# Altium PCB carrier.PcbDoc (part 5 of 5) (continued)
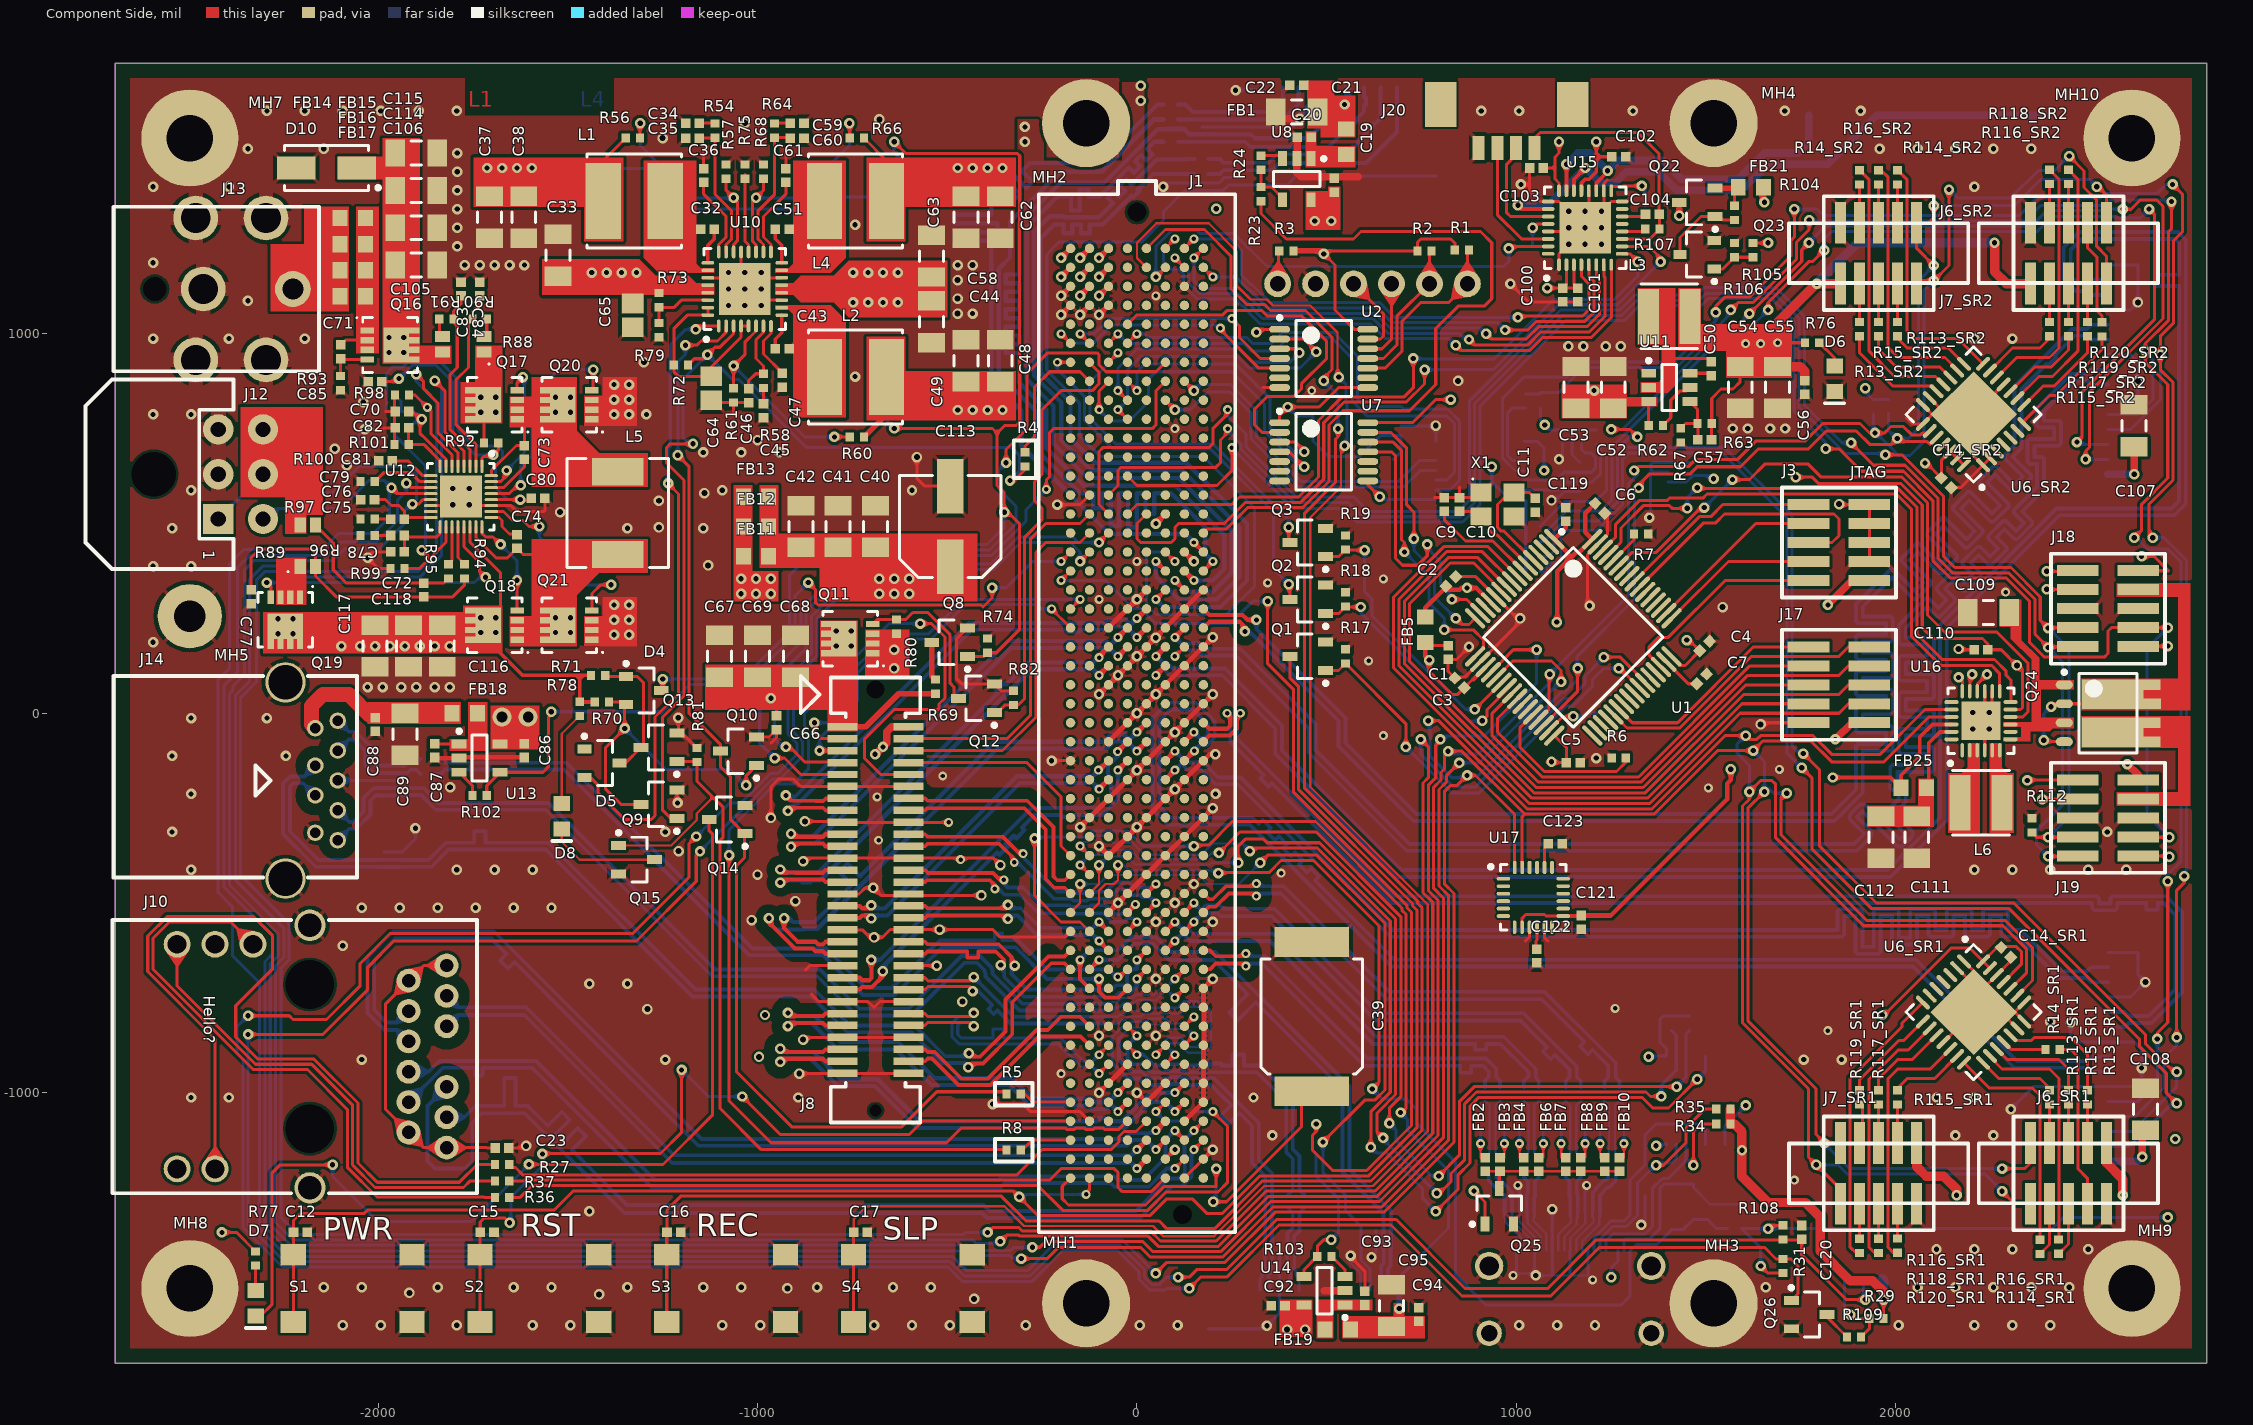
[diagram p0: Component Side view]
## Nets (pads, with @x,y where several pads share a name; then routed paths per layer and width w, separated by ;. In a path a pad name is that pad's centre, name@x,y a point inside that pad or via, vN(x,y) a via of type N, cw(c..) or ccw(c..) an arc to the next point about the centre after c; other vN are vias at no path point) (continued)
USBM2_D_P: J1.B42 J8.56 | length 587.2
  Component Side w10: J8.56@-602.36,-885.83 -557.99,-885.83 -550.74,-893.07 -532.88,-893.07 -462.96,-963 -392.98,-963 -265,-835.02 -234.98,-835.02 -199.96,-800 -150,-800 J1.B42@-125,-825
USBM2_RX_N: J1.F44 J8.44 | length 1170.3
  Component Side w8: J8.44@-602.36,-696.85 -558.99,-696.85 -550.74,-705.1 -540,-705.1 -539.9,-705 -439.78,-705 v1(-430,-695.22) ; J1.F44@75,-925 v3(100,-900)
  Solder Side w6: -72.73,-799.69 -50.5,-799.69 -45.71,-794.9 -37.97,-794.9 -27.55,-784.48 3.19,-784.48 11.38,-776.29 106.69,-776.29 124.21,-758.78 163.78,-758.78 ; 82,-875 82,-882 v3(100,-900) ; 82.5,-875 87.5,-870 110,-870 134.39,-894.39 181.2,-894.39 195.1,-880.5 195.1,-784.3 169.58,-758.78
  Solder Side w8: 163.78,-758.78 169.58,-758.78
  Solder Side w10: v1(-430,-695.22) -325.53,-799.69 -72.73,-799.69
USBM2_RX_P: J1.F43 J8.46 | length 1156.8
  Component Side w8: J8.46@-602.36,-728.35 -558.99,-728.35 -550.74,-720.1 -533.79,-720.1 -533.69,-720 -439.78,-720 ; v3(50,-900) J1.F43@75,-875
  Solder Side w6: -66.93,-817.69 -48.7,-817.69 -39.91,-808.9 -32.17,-808.9 -22.46,-799.19 8.99,-799.19 17.18,-791 114.17,-791 131.39,-773.78 163.78,-773.78 181.1,-791.1 181.1,-874.7 176.41,-879.39 140.61,-879.39 120.61,-859.39 ; v3(50,-900) 68,-882 68,-869.7 82.41,-855.29 116.51,-855.29
  Solder Side w8: 116.51,-855.29 120.61,-859.39
  Solder Side w10: v1(-433.07,-732.28) -418.39,-732.28 -402.64,-748.03 -395.57,-755.1 -381.43,-769.24 -391.38,-779.2 -377.24,-793.34 -367.29,-783.39 -353.15,-797.53 -332.99,-817.69 -66.93,-817.69
USBM2_TX_N: J1.C44 J8.50 | length 747.6
  Component Side w8: J8.50@-602.36,-791.34 -558.99,-791.34 -550.74,-799.59 -439.78,-799.59 v1(-430,-789.81) ; v3(-100,-950) J1.C44@-75,-925
  Solder Side w8: v1(-430,-789.81) -439.78,-799.59 -470.8,-799.59 -487.29,-816.08 -487.29,-852.82 -468.81,-871.3 -207.41,-871.3 -146.21,-932.5 -117.5,-932.5 v3(-100,-950)
USBM2_TX_P: J1.C43 J8.52 | length 747.6
  Component Side w8: J8.52@-602.36,-822.83 -558.99,-822.83 -550.74,-814.59 -439.78,-814.59 v1(-430,-824.37) ; v3(-100,-900) J1.C43@-75,-875
  Solder Side w8: v1(-430,-824.37) -439.78,-814.59 -464.59,-814.59 -472.29,-822.29 -472.29,-846.31 -472.44,-846.46 -462.6,-856.3 -393.7,-856.3 -379.7,-856.3 -379.7,-831.51 -351.7,-831.51 -351.7,-856.3 -275.59,-856.3 -201.2,-856.3 -140,-917.5 -117.5,-917.5 v3(-100,-900)
VDD_1V8_SYS: C13.1 C62.2 C63.2 C100.2 C101.2 J18.1 J19.1 L4.2 R28.2 R31.2 R65.1 R66.1 R105.1 R108.2 U2.1 U2.8 U4.1 U4.8 U5.1 U5.2 U5.3 U5.8 U7.1 U7.8 U15.2 U15.3 | length 3769.7
  Component Side w8: R66.1@-719.49,1515.75 -660.43,1456.69 L4.2@-660.43,1350.39 ; v1(314.96,1003.94) 322.83,1011.81 U2.1@375.98,1011.81 ; U7.1@375.98,765.75 375.98,785.43 v1(397.64,807.09) 480.32,807.09 531.5,858.27 U2.8@608.27,858.27 ; U7.8@608.27,612.2 608.27,602.36 v1(639.76,570.87) ; v1(1081.1,1120.47) C100.2@1122.05,1120.47 ; U15.2@1131.89,1182.09 1131.89,1130.32 C100.2@1122.05,1120.47 ; U15.3@1151.57,1182.09 1151.57,1130.32 C101.2@1161.42,1120.47 C100.2@1122.05,1120.47 ; R105.1@1624.02,1239.17 1662.4,1239.17 v1(1663.39,1240.16) ; v1(1643.7,-1456.69) 1662.4,-1475.39 R31.2@1702.76,-1475.39 ; v1(1663.39,-1358.27) 1672.24,-1349.41 R108.2@1702.76,-1349.41 ; J19.1@2639.06,-375.59 2718.11,-375.59 v1(2720.47,-377.95) ; J18.1@2639.06,175.59 2640.63,177.17 v1(2716.54,177.17)
  Power_layer1 w8: v1(639.76,570.87) 1053.15,570.87 1072.83,590.55 v1(1072.83,639.76)
  Solder Side w8: v1(397.64,807.09) 421.93,782.8 U5.3@463.86,782.8 U5.2@463.86,757.2 U5.1@463.86,731.61 463.86,717.24 503.94,677.17 586.61,677.17 641.06,731.61 U5.8@696.14,731.61 696.14,689.45 C13.1@675.98,669.29 ; v1(639.76,570.87) 647.4,563.23 U4.1@787.86,563.23 ; U4.8@1020.14,716.77 1054.88,716.77 1072.83,698.82 v1(1072.83,639.76) ; v1(1643.7,-1456.69) 1643.7,-1408.46 R28.2@1593.5,-1358.27 v1(1663.39,-1358.27) 2411.42,-1358.27 2440.94,-1328.74 v1(2716.54,-1328.74)
  Solder Side w20: R65.1@-511.81,1436.02 -473.43,1436.02 v1(-472.44,1437.01) v1(-433.07,1437.01) v1(-393.7,1437.01) v1(-354.33,1437.01)
VDD_3V3_MCU: C1.1 C3.1 C4.1 C5.1 C6.1 C14_SR1.2 C14_SR2.2 C54.2 C55.2 C56.2 C57.1 C110.2 C119.1 C121.1 FB5.1 FB25.2 J3.1 J6_SR1.1 J6_SR2.1 J7_SR1.1 J7_SR2.1 J17.1 L3.2 R9.2 R10.2 R63.2 R76.2 U1.1 U1.19 U1.32 U1.48 U1.64 U6_SR1.25 U6_SR1.27 U6_SR1.28 U6_SR2.25 U6_SR2.26 U6_SR2.27 U6_SR2.28 U16.11 U16.22 U17.8 U17.13 | length 6452.3
  Component Side w8: FB5.1@760,186.54 768.43,178.11 C1.1@820,178.11 ; 770,110 830,50 845.61,50 C3.1@862.81,67.19 885.61,90 886.89,90 ; U17.8@1015.07,-563.98 1015.07,-540.05 1024.93,-530.19 1074.24,-530.19 1078.5,-534.45 U17.13@1123.34,-534.45 ; v1(1092.52,-127.95) 1082.05,-127.95 1080,-130 C5.1@1131.89,-130 1131.89,-90.9 U1.32@1099.89,-58.9 ; U1.48@1408.9,149.89 1432.81,125.98 1444.88,125.98 C4.1@1483.26,164.36 1454.7,192.91 v1(1448.82,192.91) ; C57.1@1514.17,720.47 1514.17,763.19 R63.2@1514.76,763.78 1514.76,829.72 1539.37,854.33 1570.87,854.33 1589.84,873.31 C54.2@1589.84,913.78 ; v6(1688.27,976.38) R76.2@1760.83,976.38 ; v1(1736.22,622.05) 1779.56,622.05 1795.6,606 2012.34,606 2069.56,548.78 2069.56,225.72 2098.43,196.85 2228.35,196.85 2242.52,182.68 C110.2@2242.52,167.32 2277.56,167.32 v5(2318.9,125.98) 2333.65,111.24 2333.65,14.75 2328.74,9.84 U16.11@2302.17,9.84 ; v1(1964.57,-795.28) 1969.71,-795.28 2146.87,-618.11 2194.11,-618.11 U6_SR1.28@2229.78,-653.78 ; v1(2076.77,659.45) 2080.55,659.45 C14_SR2.2@2120,620 2120,666.49 U6_SR2.26@2143.48,689.97 ; U6_SR2.25@2125.38,708.06 U6_SR2.26@2143.48,689.97 ; U6_SR2.28@2179.67,653.78 U6_SR2.27@2161.57,671.87 U6_SR2.26@2143.48,689.97 ; U6_SR1.27@2247.87,-671.87 U6_SR1.28@2229.78,-653.78 ; U6_SR1.25@2284.07,-708.06 2330.62,-661.5 2330.62,-627.98 2317.63,-614.99 2279.4,-614.99 C14_SR1.2@2277.19,-617.19 2266.36,-617.19 U6_SR1.28@2229.78,-653.78
  Component Side w10: U17.13@1123.34,-534.45 C121.1@1169.88,-534.45 ; v1(1833.66,-169.29) 1986.22,-169.29 FB25.2@2013.78,-196.85 2013.78,-163.39 2062.99,-114.17 2062.99,-62.99 2096.46,-29.53 U16.22@2146.65,-29.53
  Component Side w12: FB5.1@760,186.54 760,150 v1(770,140) 770,110 ; 886.89,90 U1.19@918.94,122.05 ; v1(1106.3,240.16) 1108,241.86 1108,374.02 1135.56,401.57 ; C119.1@1129.92,505.51 1129.92,488.93 U1.1@1099.89,458.9 1135.56,423.23 1135.56,401.57 ; C121.1@1169.88,-534.45 C121.1@1171.26,-533.07 1248.43,-533.07 1555.12,-226.38 1555.12,-185.69 1564.96,-175.85 v1(1564.96,-147.64) ; C6.1@1207.19,552.81 1181.59,527.2 1181.59,477.42 U1.64@1200.11,458.9 1165.35,424.15 1158.13,424.15 1135.56,401.57
  Component Side w20: v1(1820.87,285.43) 1885.43,350 J3.1@1930,350 ; v1(1840.55,-68.9) 1884.45,-25 J17.1@1930,-25
  Component Side w25: C56.2@1759.84,876.38 1759.84,901.57 1747.64,913.78 C55.2@1688.27,913.78 v6(1688.27,976.38) 1688.27,1029.41 v1(1791.26,1132.4) J6_SR2.1@1854.72,1132.4 ; J7_SR1.1@2054.72,-1132.4 2054.72,-1194.72 2080,-1220 2126,-1220 2160,-1254 v1(2160,-1270) ; v1(2260,1240) 2260,1163.66 2291.26,1132.4 J7_SR2.1@2354.72,1132.4 ; J6_SR1.1@2554.72,-1132.4 2554.72,-1184.72 2598.43,-1228.43 v1(2598.43,-1269.68)
  Solder Side w8: v1(1919.29,856.3) 1919.29,847.44 R9.2@1940.94,825.79 1941.93,826.77 R10.2@1980.32,826.77
  Solder Side w25: v1(1791.26,1132.4) 1898.86,1240 v1(2260,1240)
  other v6: 1604.33,974.41 1643.7,974.41
VDD_3V3_STBY: C66.2 C67.2 C68.2 C69.2 J8.1 Q11.D Q25.G R69.2 | length 4521
  Component Side w8: C69.2@-1000,94.88 -954.53,49.41 ; C66.2@-950,-6.89 -950,39.37 ; v1(887.95,-1258.79) 917.32,-1288.16 Q25.G@917.32,-1346.46
  Component Side w15: J8.1@-775.59,-35.43 -714.57,-35.43 -627.95,51.18 R69.2@-531.5,51.18
  Power_layer1 w8: v1(-964.57,39.37) -944.88,19.68 -664.8,19.68 -639.76,-5.35 -639.76,-127.95 -659.45,-147.64 -1043.31,-147.64 -1062.99,-167.32 -1062.99,-213.98 -1043.31,-233.66 -1043.31,-559.68 -1043.78,-560.15 -1043.78,-579.85 -1043.31,-580.32 -1043.31,-954.72 -1072.83,-984.25 -1072.83,-1033.46 -1043.31,-1062.99 -1043.31,-1235.58 -1019.05,-1259.84 -344.49,-1259.84 -324.8,-1240.16 -118.11,-1240.16 -98.43,-1259.84 693.55,-1259.84 762.45,-1190.94 836.61,-1190.94 887.95,-1242.28 v1(887.95,-1258.79)
  other v1: -792.32,177.17 -752.95,177.17 -792.32,216.54 -752.95,216.54
VDD_3V3_SYS: C18.2 C19.1 C48.2 C49.2 C107.1 C108.1 FB21.1 J4.15 J5.15 L2.2 Q11.S R1.2 R2.2 R3.2 R11.2 R12.2 R20.1 R22.2 R32.2 R33.2 R59.1 R60.1 R80.2 R128.2 R129.2 R130.2 U2.14 U3.3 U3.24 U4.14 U7.14 U8.5 U9.1 U9.8 | length 2795.8
  Component Side w8: U7.14@608.27,765.75 726.38,765.75 787.4,826.77 v1(826.77,826.77) ; U2.14@608.27,1011.81 572.83,1011.81 521.65,1062.99 521.65,1181.1 v1(492.13,1210.63) 500,1218.5 R2.2@739.17,1218.5 739.17,1241.14 748.03,1250 826.77,1250 837.6,1239.17 R1.2@837.6,1220.47
  Component Side w15: R60.1@-719.49,728.35 -660.43,787.4 L2.2@-660.43,885.83 ; R3.2@412.4,1218.5 484.25,1218.5 v1(492.13,1210.63) ; FB21.1@1647.64,1385.83 1647.64,1356.3 1653.54,1350.39 v1(1653.54,1346.46)
  Component Side w20: v1(2627.95,629.92) C107.1@2627.95,702.76 ; v1(2649.61,-1169.29) 2649.61,-1106.3 C108.1@2657.48,-1098.43
  Solder Side w8: v1(935.04,649.61) 935.04,610.24 982.05,563.23 U4.14@1020.14,563.23 1024.61,558.76 R130.2@1024.61,492.13 R129.2@1024.61,452.76 R128.2@1024.61,413.39 R22.2@1024.61,374.02 ; R20.1@1062.99,804.13 1062.99,771.65 v1(1074.8,759.84) 1088.19,746.46 C18.2@1122.05,746.46 1146.36,746.46 ; U3.24@1167.64,660.75 1146.36,682.03 1146.36,746.46 ; R11.2@1210.63,747.05 R12.2@1171.26,747.05 1170.67,746.46 1146.36,746.46 ; v1(1348.43,-905.51) 1350.39,-903.54 U9.1@1395.67,-903.54 1395.67,-883.86 1377.95,-866.14 1377.95,-807.09 1386.81,-798.23 R32.2@1407.48,-798.23 R33.2@1456.69,-798.23 ; U3.3@1399.92,609.57 1448.15,609.57 1464.57,625.98 1511.81,625.98 v1(1519.68,618.11) ; U9.8@1549.21,-1135.83 1549.21,-1088.58 v1(1604.33,-1033.46)
  Solder Side w20: R59.1@-511.81,800.2 -472.44,800.2 v1(-472.44,799.21) v1(-433.07,799.21) v1(-393.7,799.21) v1(-354.33,799.21) ; J4.15@2559.06,-1181.1 2637.8,-1181.1 v1(2649.61,-1169.29) ; J5.15@2559.06,629.92 v1(2627.95,629.92)
  other v5: -639.76,118.11 -639.76,167.32
  other v7: 468.5,1297.24 511.81,1297.24
VDD_5V0_SYS: C37.2 C38.2 C86.1 C92.1 C102.2 C103.2 J8.2 J10.14 J10.16 J11.18 J16.2 L1.2 R29.1 R34.2 R35.2 R55.1 R56.1 U9.14 U13.5 U14.5 U15.21 U15.24 | length 3720.8
  Component Side w8: L1.2@-1406.5,1350.39 -1406.5,1456.69 R56.1@-1347.44,1515.75 ; C103.2@1071.26,1437.01 1102.01,1437.01 ; U15.24@1112.2,1376.97 1112.2,1397.64 1102.01,1407.83 1102.01,1437.01 ; v1(1112.2,1505.91) 1112.2,1476.38 1102.01,1466.18 1102.01,1437.01 ; R29.1@1967.52,-1594.49 1967.52,-1546.26 v1(1968.5,-1545.28)
  Component Side w10: U15.21@1171.26,1376.97 1171.26,1397.64 1181.1,1407.48 1190.94,1407.48 1210.63,1427.17 1210.63,1466.54 ; v1(1210.63,1505.9) 1210.63,1466.54 ; C102.2@1251.57,1466.54 1210.63,1466.54
  Component Side w20: v1(-690.21,-108.27) -688.98,-108.27 v1(-669.29,-88.58) -659.45,-78.74 -659.45,-49.21 -645.67,-35.43 J8.2@-602.36,-35.43
  Component Side w25: R35.2@1563.98,-1043.31 R34.2@1563.98,-1082.68 1574.8,-1082.68 1594.49,-1102.36 v1(1594.49,-1151.57) 1594.49,-1220.47 1663.39,-1289.37 1761.81,-1289.37 1801.18,-1328.74 1801.18,-1417.32 1879.92,-1496.06 1938.98,-1496.06 1968.5,-1525.59 v1(1968.5,-1545.28)
  Power_layer1 w8: J10.14@-2529.53,-1200.79 -2529.53,-787.4 -2429.53,-687.4 J10.16@-2429.53,-608.79 -2429.53,-224.8 -2175.2,29.53 -1712.6,29.53 v9(-1673.23,-9.84)
  Solder Side w8: v7(1250,-1486.22) 1250,-1461.54 1267.72,-1443.82 J11.18@1267.72,-1415.35 ; v1(1368.11,-1139.76) 1372.05,-1135.83 U9.14@1395.67,-1135.83
  Solder Side w20: v1(-1712.6,1437.01) v1(-1673.23,1437.01) v1(-1633.86,1437.01) v1(-1594.49,1437.01) -1593.5,1436.02 R55.1@-1555.12,1436.02
  Solder Side w25: J16.2@1963.58,-1490.16 1968.5,-1495.08 v1(1968.5,-1545.28)
  other v1: -295.28,1505.91 -295.28,1545.28 9.84,1614.17 9.84,1653.54
  other v8: 395.67,-1624.02 442.91,-1624.02
  other v9: -1604.33,-9.84
VDD_RTC: C39.1 J1.A50 | length 1075.3
  Component Side w8: J1.A50@-175,-1225 -196.85,-1246.85 -196.85,-1279.53 -180.38,-1296 22.28,-1296 70.78,-1247.5 207.7,-1247.5 208.66,-1246.54 v4(208.66,-1200.79) ; v4(200.79,-1287.4) 236.03,-1287.4 433.07,-1090.36 433.07,-1023.62 C39.1@460.63,-996.06
  Solder Side w8: v4(200.79,-1287.4) 200.79,-1291.34 208.66,-1299.21 v4(208.66,-1200.79)
VIN_NVM: C40.2 C41.2 C42.2 C113.1 FB11.2 FB12.2 FB13.2 J1.A1 J1.A2 J1.B1 J1.B2 J1.C1 J1.C2 | length 212.1
  Component Side w13: v4(-200,1150) J1.A2@-175,1175 ; v4(-200,1200) J1.A1@-175,1225 ; v4(-150,1150) J1.B2@-125,1175 ; v4(-150,1200) J1.B1@-125,1225 ; v4(-100,1150) J1.C2@-75,1175 ; v4(-100,1200) J1.C1@-75,1225
  other v1: -679.13,314.96 -639.76,314.96 -600.39,314.96 -679.13,354.33 -639.76,354.33 -600.39,354.33
VIN_PSU: C33.2 C44.2 C52.2 C53.2 C58.2 C65.2 C116.2 C117.2 C118.2 FB11.1 FB12.1 FB13.1 Q18.D Q19.D R62.1 R70.1 R71.1 R73.2 R77.2 R78.2 U10.12 U10.13 U10.28 U10.29 U11.3 U12.22 | length 3227.5
  Component Side w8: v1(-2411.42,-1368.11) -2373.03,-1368.11 R77.2@-2322.83,-1418.31 ; U12.22@-1757.87,491.14 -1757.87,450.79 -1677.17,370.08 -1677.17,264.76 v1(-1689.96,251.97) Q18.D@-1709.65,232.28 ; R62.1@1348.7,758.27 U11.3@1348.7,821.26
  Component Side w10: v1(-1689.96,212.6) -1689.96,170.28 -1619.68,100 -1468.5,100 ; R71.1@-1438.7,100 -1468.5,100 ; R70.1@-1428.7,30 -1468.5,30 R78.2@-1468.5,30.51 -1468.5,100
  Power_layer1 w10: v1(-2411.42,-1368.11) -2448.82,-1330.71 -2582.68,-1330.71 -2602.36,-1311.02 -2602.36,55.12 -2578.74,78.74 -2472.44,78.74 -2362.2,188.98 -2362.2,255.91 -2322.83,295.28 -2141.73,295.28 -2096.46,250 v1(-2096.46,177.17)
  other v1: -2263.78,209.65 -2224.41,209.65 -1729.33,212.6 -2263.78,249.02 -2224.41,249.02 -1729.33,251.97 -1043.31,314.96 -1003.94,314.96 -964.57,314.96 -1043.31,354.33 -1003.94,354.33 -964.57,354.33
  other v4: -2047.24,177.17 -2007.87,177.17 -1968.5,177.17 -1929.13,177.17 -1889.76,177.17 -1850.39,177.17 -1811.02,177.17 1204.72,850.39
  other v7: -748.03,1082.68 -708.66,1082.68 -669.29,1082.68 -629.92,1082.68 -1437.01,1161.42 -1397.64,1161.42 -1358.27,1161.42 -1318.9,1161.42 -748.03,1161.42 -708.66,1161.42 -669.29,1161.42 -629.92,1161.42
pads on no net: D5.A1 D13.4 D14.5 D16.1 D16.2 J1.A5 J1.A8 J1.A9 J1.A10 J1.A11 J1.A12 J1.A13 J1.A14 J1.A15 J1.A16 J1.A19 J1.A22 J1.A23 J1.A24 J1.A25 J1.A26 J1.A27 J1.A29 J1.A30 J1.A31 J1.A32 J1.A41 J1.A42 J1.A44 J1.A45 J1.B5 J1.B9 J1.B10 J1.B11 J1.B12 J1.B13 J1.B18 J1.B19 J1.B20 J1.B21 J1.B22 J1.B23 J1.B24 J1.B25 J1.B26 J1.B27 J1.B28 J1.B29 J1.B30 J1.B32 J1.B45 J1.B46 J1.B48 J1.B49 J1.C5 J1.C9 J1.C10 J1.C11 J1.C12 J1.C13 J1.C17 J1.C18 J1.C19 J1.C20 J1.C31 J1.C32 J1.C34 J1.C35 J1.C40 J1.C41 J1.C46 J1.C47 J1.C48 J1.C49 J1.C50 J1.D1 J1.D2 J1.D3 J1.D4 J1.D7 J1.D11 J1.D12 J1.D16 J1.D17 J1.D18 J1.D19 J1.D30 J1.D31 J1.D33 J1.D34 J1.D48 J1.D49 J1.D50 J1.E3 J1.E4 J1.E5 J1.E6 J1.E7 J1.E8 J1.E9 J1.E10 J1.E11 J1.E12 J1.E13 J1.E14 J1.E16 J1.E17 J1.E18 J1.E29 J1.E30 J1.E32 J1.E33 J1.E41 J1.E42 J1.E44 J1.E45 J1.E50 J1.F3 J1.F4 J1.F5 J1.F6 J1.F11 J1.F12 J1.F13 J1.F14 J1.F16 J1.F31 J1.F32 J1.F34 J1.F35 J1.G4 J1.G5 J1.G6 J1.G9 J1.G10 J1.G11 J1.G13 J1.G14 J1.G15 J1.G16 J1.G30 J1.G31 J1.G33 J1.G34 J1.H3 J1.H4 J1.H5 J1.H6 J1.H11 J1.H13 J1.H14 J1.H15 J1.H29 J1.H30 J1.H32 J1.H33 J1.H50 J1.MH1 J1.MH2 J4.16 J5.16 J8.PEG J10.18 J11.17 J12.7 J13.18 J16.TAB J20.TAB U1.2 U1.3 U1.4 U1.14 U1.26 U1.27 U1.33 U1.34 U1.35 U1.36 U1.39 U1.40 U1.41 U1.44 U1.45 U1.51 U1.52 U1.53 U1.54 U1.57 U1.58 U2.6 U2.9 U3.4 U3.5 U3.6 U3.7 U3.8 U3.9 U3.10 U3.11 U3.13 U3.14 U3.15 U3.16 U4.6 U4.9 U6_SR1.3 U6_SR1.4 U6_SR1.5 U6_SR1.6 U6_SR2.3 U6_SR2.4 U6_SR2.5 U6_SR2.6 U7.5 U7.6 U7.9 U7.10 U9.4 U9.6 U9.9 U9.11 U12.15 U15.13 U15.15 U15.32 U16.1 U16.8 U16.19 U16.24 U17.2 U17.3 U17.4 U17.5 U17.6 U17.7 U17.12 U17.14 U17.15 U17.16 U17.17 U17.19 U17.21 U17.22
copper on no net:
  other v1: 2736.22,-1122.05
  other v4: 208.66,1329.72
  other v5: -996.06,-905.51 -980.32,-795.28

## Polygon pours and split planes (outlines as drawn)
GND on Solder Side "Outer_ground2" (solid, remove dead copper, pour order 38): -2692.91,-1712.6 2818.9,-1712.6 2818.9,1712.6 -2692.91,1712.6
VDD_3V3_SYS on Power_layer1 "Power_layer2-VDD_3V3_SYS" (solid, pour order 21): 1476.38,364.17 1476.38,1075.51 2667.32,1075.51 2667.32,610.24 2588.58,610.24 2588.58,1013.78 1574.8,1013.78 1574.8,285.43 639.76,285.43 639.76,-206.69 1633.86,-206.69 1633.86,-787.4 1712.6,-787.4 1712.6,-1299.21 2627.95,-1299.21 2627.95,-1141.73 2677.17,-1141.73 2677.17,-1368.11 1633.86,-1368.11 1633.86,-1112.2 1309.06,-1112.2 1309.06,-442.91 492.13,-442.91 492.13,285.43 206.69,285.43 206.69,1230.32 -341.14,1230.32 -341.14,393.7 -708.66,393.7 -708.66,285.43 -600.39,285.43 -600.39,98.43 -728.35,98.43 -728.35,236.22 -836.61,236.22 -836.61,492.13 -492.13,492.13 -492.13,1318.9 874.02,1318.9 874.02,807.09 1259.84,807.09 1259.84,1299.21 1633.86,1299.21 1633.86,1368.11 1673.23,1368.11 1673.23,1269.68 1318.9,1269.68 1318.9,620.08 442.91,620.08 442.91,1043.31 285.43,1043.31 285.43,364.17
GND on Power_layer1 "inner1_signal" (solid, pour order 22): -1033.46,-984.25 -196.85,-984.25 -196.85,-1250 196.85,-1250 196.85,1122.05 -68.9,1122.05 -216.54,1122.05 -216.54,-147.64 -1033.46,-147.64
VIN_NVM on Power_layer1 "NVM_POWER" (solid, pour order 16): -698.82,295.28 -698.82,383.86 -334.65,383.86 -334.65,1220.47 -78.74,1220.47 -78.74,1131.89 -226.38,1131.89 -226.38,295.28
VDD_5V0_SYS on Power_layer1 "Power_layer1_5v0" (solid, pour order 18): -1417.32,1476.38 -501.97,1476.38 -246.06,1476.38 -246.06,1574.8 -1742.13,1574.8 -1742.13,1525.59 -1742.13,1466.54 -1742.13,1342.52 -1590.55,1342.52 -1590.55,49.21 -1722.44,49.21 -1722.44,-137.79 -1181.1,-137.79 -1181.1,-1427.17 196.85,-1427.17 196.85,-1663.39 866.14,-1663.39 866.14,-1564.96 1269.68,-1564.96 1269.68,-1181.1 1624.02,-1181.1 1624.02,-1122.05 1348.43,-1122.05 1348.43,-1151.57 1230.32,-1151.57 1230.31,-1259.84 275.59,-1259.84 -1043.31,-1259.84 -1043.31,-137.8 -649.61,-137.8 -649.61,9.84 -1417.32,9.84
GND on Power_layer1 "Internal_ground" (solid, pour order 32): -2692.91,-1712.6 2818.9,-1712.6 2818.9,1712.6 -2692.91,1712.6
VDD_1V8_SYS on Power_layer1 "inner1_1v8" (solid, pour order 24): 994.09,1397.64 994.09,1082.68 1327.69,1082.68 1328.74,1081.62 1328.74,610.24 433.07,610.24 433.07,1033.46 295.28,1033.46 295.28,374.02 1466.54,374.02 1466.54,1082.68 2677.17,1082.68 2677.17,-1368.11 2746.06,-1368.11 2746.06,1210.63 1870.08,1210.63 1870.08,1466.54 -324.8,1466.54 -492.13,1466.54 -492.13,1397.64
VIN_PSU on Power_layer1 "inner1_vin" (solid, pour order 25): -767.72,1062.99 -767.72,1181.1 -688.98,1181.1 -688.98,1387.8 984.25,1387.8 984.25,866.14 1250,866.14 1250,816.93 885.83,816.93 885.83,1328.74 -610.24,1328.74 -610.24,1062.99
VDD_3V3_MCU on Power_layer1 "inner1_3v3_mcu" (solid, pour order 26): 1948.82,679.13 2096.46,679.13 2096.46,639.76 1840.55,639.76 1840.55,147.64 2018.77,147.64 2018.77,98.43 2017.72,99.48 2017.72,-1210.63 2618.11,-1210.63 2618.11,-1289.37 1919.29,-1289.37 1919.29,-196.85 649.61,-196.85 649.61,275.59 1584.65,275.59 1584.65,1003.94 1948.82,1003.94
VDD_5V0_SYS on Power_layer1 "inner1_5v0" (solid, pour order 30): -39.37,1663.39 -39.37,1476.38 1240.16,1476.38 1240.16,1535.43 19.68,1535.43 19.68,1663.39
GND on Component Side "GROUND_PSU" (solid, remove dead copper, pour order 20): -275.59,49.21 -275.59,196.85 -275.59,1712.6 -2692.91,1712.6 -2692.91,49.21
VDD_5V0_SYS on Component Side "outer1_5v0" (solid, pour order 19): -314.76,1564.96 -246.06,1564.96 -246.06,1456.69 -39.37,1456.69 -39.37,1663.39 19.68,1663.39 19.68,1397.64 -314.76,1397.64
GND on Component Side "Outer_ground1" (solid, remove dead copper, pour order 36): -2692.91,-1712.6 2818.9,-1712.6 2818.9,1712.6 -2692.91,1712.6
GND on Power_layer2 "Internal_ground2" (solid, pour order 34): -2692.91,-1712.6 2818.9,-1712.6 2818.9,1712.6 -2692.91,1712.6
VIN_PSU on Power_layer2 "INPUT_PSU" (solid, pour order 15): -1820.87,285.43 -1673.23,285.43 -1673.23,196.85 -1279.53,196.85 -1279.53,374.02 -944.88,374.02 -944.88,295.28 -1141.73,295.28 -1145.67,291.34 -1145.67,49.21 -2165.35,49.21 -2165.35,1181.1 -1114.17,1181.1 -1114.17,1043.31 -954.72,1043.31 -954.72,1181.1 -610.24,1181.1 -610.24,1062.99 -826.77,1062.99 -826.77,935.04 -1820.87,935.04

## Keep-outs
Keep-Out Layer:
  the board outline again, w2

## Other copper
Component Side:
  rectangle net DC_INrp: -1870.08,960.63 -1850.39,960.63
  region net VDD_3V3_SYS: -600.39,94.49 -600.39,220.47 -715.55,220.47 -715.55,94.49
  region net VDD_3V3_STBY: -834.65,127.95 -834.65,244.09 -736.22,244.09 -736.22,-47.24 -814.96,-47.24 -814.96,9.84 -1112.2,9.84 -1137.8,9.84 -1137.8,127.95
  region net VDD_5V0_SYS: 462.6,-1545.28 375.98,-1545.28 375.98,-1549.21 375.98,-1553.15 375.98,-1643.7 462.6,-1643.7
  region net NetC94_2: 704.72,-1588.58 704.72,-1555.12 677.17,-1555.12 677.17,-1588.58 541.34,-1588.58 541.34,-1647.64 757.87,-1647.64 757.87,-1588.58
  region net NetC93_2: 474.41,-1647.64 474.41,-1545.28 620.08,-1545.28 620.08,-1572.83 517.72,-1572.83 517.72,-1647.64
  region net NetC111_2: 2059.06,-173.23 2100.39,-173.23 2100.39,-299.21 1925.2,-299.21 1925.2,-244.09 2059.06,-244.09
  region net NetC109_2: 2358.27,141.73 2303.15,196.85 2303.15,228.35 2273.62,228.35 2273.62,299.21 2330.71,299.21 2330.71,192.91 2377.95,145.67 2377.95,86.61 2468.5,86.61 2468.5,62.99 2381.89,62.99 2381.89,-11.81 2468.5,-11.81 2468.5,-39.37 2413.39,-39.37 2405.51,-47.24 2354.33,-47.24 2354.33,-73.82 2283.46,-73.82 2283.46,-62.99 2330.71,-62.99 2330.71,-35.43 2283.46,-35.43 2283.46,-23.62 2358.27,-23.62
  region net NetJ19_7: 2582.68,-244.09 2582.68,-208.66 2744.09,-208.66 2744.09,-90.55 2488.19,-90.55 2488.19,-7.87 2775.59,-7.87 2775.59,-244.09
  region net NetJ18_7: 2582.68,342.52 2582.68,307.09 2744.09,307.09 2744.09,90.55 2488.19,90.55 2488.19,7.87 2775.59,7.87 2775.59,342.52
  region net VDD_5V0_SYS: -1702.76,-94.49 -1702.76,19.68 -1574.8,19.68 -1574.8,-94.49
  region net NetC88_2: -1781.5,-27.56 -2027.56,-27.56 -2027.56,29.53 -1781.5,29.53
  region net NetC87_2: -1811.02,-98.43 -1811.02,-68.9 -1761.81,-68.9 -1761.81,29.53 -1712.6,29.53 -1712.6,-98.43
  region net VIN_NVM: -994.09,600.39 -944.88,600.39 -944.88,472.44 -421.26,472.44 -421.26,295.28 -836.61,295.28 -836.61,383.86 -994.09,383.86
  region net VIN_PSU: -1013.78,600.39 -1013.78,374.02 -944.88,374.02 -944.88,295.28 -1062.99,295.28 -1062.99,600.39
  region net VDD_3V3_SYS: 535.43,1387.8 535.43,1273.62 444.88,1273.62 444.88,1375.98 503.94,1375.98 503.94,1387.8
  region net NetC21_2: 574.8,1517.72 484.25,1517.72 484.25,1541.34 448.82,1541.34 448.82,1667.32 519.68,1667.32 519.68,1627.95 574.8,1627.95
  region net NetC20_2: 472.44,1494.09 472.44,1533.46 444.88,1533.46 444.88,1438.98 574.8,1438.98 574.8,1494.09
  region net VIN_PSU: 1291.34,833.07 1291.34,866.14 1119.37,866.14 1119.37,830.71 1119.37,777.95 1291.34,777.95 1291.34,809.45 1371.34,809.45 1371.34,833.07
  region net VDD_3V3_MCU: 1485.51,1120.47 1485.51,1025.7 1725.67,1026.61 1725.67,884.25 1552.44,884.25 1552.44,955.12 1426.46,955.12 1426.46,1120.47
  region net NetC50_1: 1375.28,872.44 1383.15,880.31 1383.15,970.87 1320.16,970.87 1320.16,1120.47 1418.58,1120.47 1418.58,864.57 1398.9,844.88 1328.03,844.88 1328.03,872.44
  region net NetL6_2: 2220.47,-78.74 2188.98,-78.74 2188.98,-141.73 2173.23,-157.48 2137.8,-157.48 2137.8,-314.96 2220.47,-314.96
  region net NetL6_1: 2248.03,-78.74 2279.53,-78.74 2279.53,-141.73 2295.28,-157.48 2311.02,-157.48 2311.02,-314.96 2248.03,-314.96
  region net GND: -1456.69,757.87 -1318.9,757.87 -1318.9,885.83 -1407.48,885.83 -1407.48,836.61 -1456.69,836.61
  region net VDD_3V3_SYS: -712.6,992.13 -610.24,992.13 -610.24,901.57 -318.9,901.57 -318.9,771.65 -712.6,771.65
  region net VDD_1V8_SYS: -712.6,1244.09 -610.24,1244.09 -610.24,1334.65 -318.9,1334.65 -318.9,1464.57 -712.6,1464.57
  region net BAT_CONc: -2224.41,409.45 -2267.72,409.45 -2267.72,285.43 -2188.98,285.43 -2188.98,409.45
  region net VIN_PSU: -1358.27,1102.36 -1358.27,1053.15 -1300.2,1053.15 -1300.2,1102.36 -1114.17,1102.36 -1114.17,1133.86 -1161.42,1133.86 -1181.1,1153.54 -1267.72,1153.54 -1311.02,1196.85 -1566.93,1196.85 -1566.93,1102.36
  region net VIN_PSU: -952.76,1133.86 -952.76,1102.36 -905.51,1102.36 -885.83,1082.68 -799.21,1082.68 -759.84,1043.31 -500,1043.31 -500,1192.91 -759.84,1192.91 -799.21,1153.54 -885.83,1153.54 -905.51,1133.86
  region net NetC43_1: -952.76,1074.8 -952.76,1062.99 -917.32,1062.99 -905.51,1051.18 -905.51,779.53 -767.72,779.53 -767.72,1035.43 -807.09,1074.8
  region net NetC51_1: -952.76,1161.42 -952.76,1173.23 -917.32,1173.23 -905.51,1185.04 -905.51,1456.69 -767.72,1456.69 -767.72,1200.79 -807.09,1161.42
  region net NetC32_1: -1114.17,1161.42 -1114.17,1173.23 -1149.61,1173.23 -1161.42,1185.04 -1161.42,1456.69 -1299.21,1456.69 -1299.21,1200.79 -1259.84,1161.42
  region net VIN_PSU: -1775.59,265.75 -1775.59,283.46 -1673.23,283.46 -1673.23,157.48 -2303.15,157.48 -2303.15,265.75
  region net BAT_CON: -2362.2,807.09 -2362.2,570.87 -2244.09,570.87 -2244.09,472.44 -2188.98,472.44 -2188.98,523.62 -2145.67,523.62 -2145.67,807.09
  region net GND: -1456.69,177.17 -1318.9,177.17 -1318.9,305.12 -1407.48,305.12 -1407.48,255.91 -1456.69,255.91
  region net BQSL: -1594.49,885.83 -1594.49,834.65 -1653.54,834.65 -1653.54,753.94 -1594.49,753.94 -1594.49,596.46 -1289.37,596.46 -1289.37,685.04 -1417.32,685.04 -1476.38,744.09 -1476.38,885.83
  region net BQSR: -1289.37,458.66 -1564.96,458.66 -1594.49,458.66 -1594.49,255.91 -1653.54,255.91 -1653.54,177.17 -1476.38,177.17 -1476.38,311.02 -1417.32,370.08 -1289.37,370.08
  region net BQL: -1673.23,913.39 -1673.23,968.5 -1744.09,968.5 -1744.09,872.05 -1781.5,872.05 -1781.5,763.78 -1673.23,763.78
  region net DC_INfb: -2057.09,948.82 -2057.09,1334.65 -1998.03,1334.65 -1998.03,1029.53 -1998.03,948.82
  region net DC_INrp: -1988.19,1466.54 -2106.3,1466.54 -2106.3,1407.48 -1988.19,1407.48 -1988.19,1019.68 -1988.19,921.26 -1807.09,921.26 -1807.09,968.5 -1889.76,968.5 -1889.76,1515.75 -1988.19,1515.75
  region net VDD_5V0_SYS: -1354.33,1244.09 -1456.69,1244.09 -1456.69,1334.65 -1748.03,1334.65 -1748.03,1464.57 -1354.33,1464.57
  region net DC_IN: -2076.77,1334.65 -2076.77,1059.06 -2283.46,1059.06 -2283.46,1236.22 -2194.88,1236.22 -2194.88,1334.65
  text "L1" at -1761.81,1584.65 h68.9
Power_layer1:
  text "L2" at -1663.39,1584.65 h68.9
Power_layer2:
  pour cut-out: 311.02,-1555.12 311.02,-1488.19 440.94,-1488.19 440.94,-1555.12
  pour cut-out: 992.13,-1393.7 1291.34,-1393.7 1291.34,-1437.01 992.13,-1437.01
  text "L3" at -1564.96,1584.65 h68.9
Solder Side:
  text "L4" at -1466.54,1584.65 h68.9
Multi-Layer:
  pour cut-out: -1771.65,1673.23 -1771.65,1574.8 -1377.95,1574.8 -1377.95,1673.23

## Silkscreen, mask and mechanical layers (free items; w line width, h text height)
Top Overlay:
  lines w10: -374.02,-1181.1 -374.02,-1122.05 -275.59,-1122.05 -275.59,-1181.1 -374.02,-1181.1 ; -374.02,-1033.46 -374.02,-974.41 -275.59,-974.41 -275.59,-1033.46 -374.02,-1033.46 ; -324.8,620.08 -265.75,620.08 -265.75,718.5 -324.8,718.5 -324.8,620.08 ; 1718.5,-1291.14 2190.94,-1291.14 2190.94,-1133.66 1718.5,-1133.66 1718.5,-1173.03 1718.5,-1291.14 ; 1718.5,1133.66 2190.94,1133.66 2190.94,1173.03 2190.94,1291.14 1718.5,1291.14 1718.5,1133.66 ; 2218.5,-1291.14 2690.94,-1291.14 2690.94,-1133.66 2218.5,-1133.66 2218.5,-1173.03 2218.5,-1291.14 ; 2218.5,1133.66 2690.94,1133.66 2690.94,1173.03 2690.94,1291.14 2218.5,1291.14 2218.5,1133.66
  text "JTAG" at 1879.92,620.08 h30
Bottom Overlay:
  drawing of 2862 lines, arcs and shapes, not listed
  text "WARN! / WASHER" at -324.8,1486.22 h60
  text "YOU INSTALLED THIS / UPSIDE DOWN, DUMBASS!" at 1695.87,617.13 h30 r90
  text "WE DO WHAT / WE MUST, BECAUSE / WE CAN." at -511.81,-1358.27 h60
Top Solder:
  region: -1761.81,1584.65 -1387.8,1584.65 -1387.8,1663.39 -1761.81,1663.39
Bottom Solder:
  region: -1761.81,1663.39 -1761.81,1584.65 -1387.8,1584.65 -1387.8,1663.39

## Text inside footprints (layer, text, board x,y; h text height)
J3: Mechanical 1 "J1" at 1859.84,440.16 h25 r90
J6_SR1: Mechanical 1 "J1" at 2471.86,-1194.9 h25 r180
J6_SR2: Mechanical 1 "J1" at 1937.58,1194.9 h25
J7_SR1: Mechanical 1 "J1" at 1971.86,-1194.9 h25 r180
J7_SR2: Mechanical 1 "J1" at 2437.58,1194.9 h25
J9: Bottom Overlay "uSD" at 480.12,1454.72 h30 r180
J10: Top Overlay "Hello?" at -2459.53,-744.79 h30 r270
J12: Top Overlay "1" at -2461.26,429.92 h30 r270
J15: Bottom Overlay "SS" at 423.23,-1651.57 h30
J17: Mechanical 1 "J1" at 1867.5,57.86 h25 r90
J18: Mechanical 1 "J1" at 2576.55,258.45 h25 r90
J19: Mechanical 1 "J1" at 2576.55,-292.73 h25 r90
SPK1: Bottom Overlay "TAPE / HERE" at 1966.89,1437.83 h30 r180